# Altium PCB ssmaster.PcbDoc (part 2 of 3)
Units mil, origin at the board's own origin, x right, y up, seen from the top; angles counter-clockwise.
Board outline 4055.12 x 2952.76 mil, 4 copper layers (Top Layer, Ground Plane 1, Mid-Layer 1, Bottom Layer); 141 components, 274 nets, 1070 pads, 469 vias.
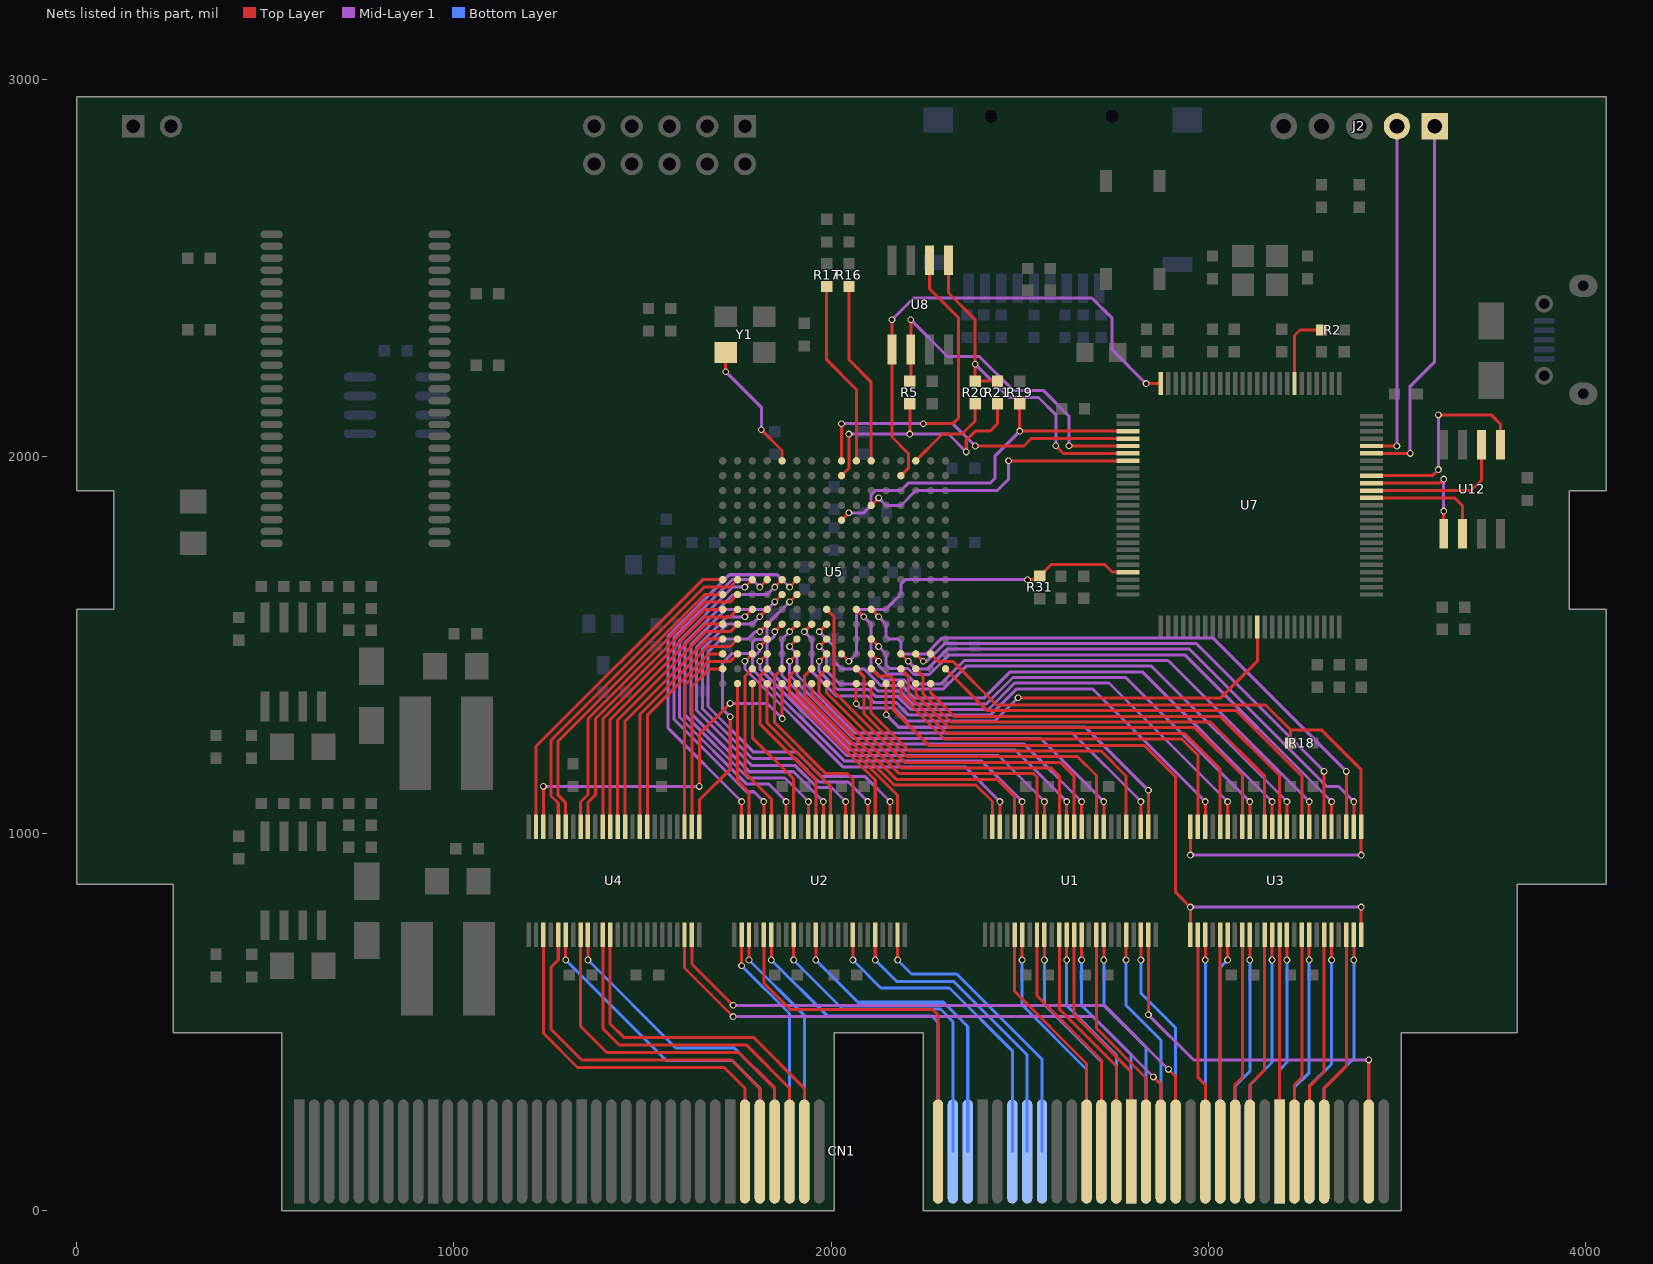
[diagram p4: the nets of this part, all layers, seen from the top]

## Via types
v1: diameter 18, hole 12, Top Layer to Bottom Layer, 444 vias
v2: diameter 28, hole 18, Top Layer to Bottom Layer, 25 vias

## Nets (pads, with @x,y where several pads share a name; then routed paths per layer and width w, separated by ;. In a path a pad name is that pad's centre, name@x,y a point inside that pad or via, vN(x,y) a via of type N, cw(c..) or ccw(c..) an arc to the next point about the centre after c; other vN are vias at no path point) (continued)
AA9: CN1.A42 U2.17 | length 856.4
  Top Layer w8: v1(2057.95,665) U2.17@2057.95,732.28
  Bottom Layer w8: v1(2057.95,665) 2131.95,591 2314,591 2480.32,424.68 CN1.A42@2480.32,157.48
AA10: CN1.A44 U2.23 | length 803.7
  Top Layer w8: v1(2176.06,665) U2.23@2176.06,732.28
  Bottom Layer w8: v1(2176.06,665) 2213.06,628 2333,628 2559.06,401.94 CN1.A44@2559.06,157.48
AA11: CN1.A43 U2.20 | length 830
  Top Layer w8: v1(2117.01,665) U2.20@2117.01,732.28
  Bottom Layer w8: v1(2117.01,665) 2174.01,608 2325,608 2519.69,413.31 CN1.A43@2519.69,157.48
AA12: CN1.A38 U2.9 | length 901.8
  Top Layer w8: v1(1900.47,665) U2.9@1900.47,732.28
  Bottom Layer w8: v1(1900.47,665) 2030.47,535 2290,535 2322.84,502.16 CN1.A38@2322.84,157.48
AA13: CN1.A39 U2.12 | length 874.3
  Top Layer w8: v1(1959.53,665) U2.12@1959.53,732.28
  Bottom Layer w8: v1(1959.53,665) 2071.53,553 2298,553 2362.21,488.79 CN1.A39@2362.21,157.48
AA14: CN1.B37 U2.5 | length 987.5
  Top Layer w8: U2.5@1821.73,732.28 1821.73,603.9 1891.63,534 2269.63,534 2283.47,520.16 CN1.B37@2283.47,157.48
AA15: CN1.A37 U2.6 | length 921.4
  Top Layer w8: v1(1841.42,665) U2.6@1841.42,732.28
  Bottom Layer w8: v1@1840.37,663.95 v1(1841.42,665) 1989.42,517 2266,517 2283.47,499.53 CN1.A37@2283.47,157.48
AA16: CN1.B35 U4.12 | length 989.5
  Top Layer w8: U4.12@1414.53,732.28 1414.53,495.47 1450,460 1794.13,460 1929.13,325 CN1.B35@1929.13,157.48
AA17: CN1.A35 U2.3 | length 635.6
  Top Layer w8: v1(1782.36,665) U2.3@1782.36,732.28
  Bottom Layer w8: v1(1782.36,665) 1929.13,518.23 CN1.A35@1929.13,157.48
AA18: CN1.B34 U4.11 | length 977.1
  Top Layer w8: U4.11@1394.84,732.28 1394.84,483.16 1438,440 1774.76,440 1889.76,325 CN1.B34@1889.76,157.48
AA19: CN1.A34 U2.2 | length 627.4
  Top Layer w8: v1(1762.68,650) U2.2@1762.68,732.28
  Bottom Layer w8: v1(1762.68,650) 1889.76,522.91 CN1.A34@1889.76,157.48
AA20: CN1.B33 U4.8 | length 993.2
  Top Layer w8: U4.8@1335.79,732.28 1335.79,489.21 1405,420 1755.39,420 1850.39,325 CN1.B33@1850.39,157.48
AA21: CN1.A33 U4.9 | length 870.6
  Top Layer w8: v1(1355.47,665) U4.9@1355.47,732.28
  Bottom Layer w8: v1(1355.47,665) 1588.47,432 1743.39,432 1850.39,325 CN1.A33@1850.39,157.48
AA22: CN1.B32 U4.5 | length 1044.1
  Top Layer w8: U4.5@1276.73,732.28 1276.73,665.1 1257.63,646 1257.63,481.37 1339,400 1735.37,400 1811.02,324.35 CN1.B32@1811.02,157.48
AA23: CN1.A32 U4.6 | length 890.2
  Top Layer w8: v1(1296.42,665) U4.6@1296.42,732.28
  Bottom Layer w8: v1(1296.42,665) 1562.42,399 1737.02,399 1811.02,325 CN1.A32@1811.02,157.48
AA24: CN1.B31 U4.3 | length 1023.8
  Top Layer w8: U4.3@1237.36,732.28 1237.36,470.64 1328,380 1716.65,380 1771.65,325 CN1.B31@1771.65,157.48
AAS: CN1.A53 U1.22 | length 612.9
  Top Layer w8: v1(2821.38,665) U1.22@2821.38,732.28
  Bottom Layer w8: v1(2821.38,665) 2821.38,576.62 2913.39,484.61 CN1.A53@2913.39,157.48
ACS0: CN1.A47 U1.6 | length 645.5
  Top Layer w8: v1(2506.42,665) U1.6@2506.42,732.28
  Bottom Layer w8: v1(2506.42,665) 2506.42,545.58 2677.17,374.83 CN1.A47@2677.17,157.48
ACS1: CN1.B48 U1.8 | length 645.5
  Top Layer w8: U1.8@2545.79,732.28 2545.79,570 2716.54,399.25 CN1.B48@2716.54,157.48
ACS2: CN1.A48 U1.9 | length 637.4
  Top Layer w8: v1(2565.47,665) U1.9@2565.47,732.28
  Bottom Layer w8: v1(2565.47,665) 2565.47,545.53 2716.54,394.46 CN1.A48@2716.54,157.48
AD0: CN1.A55 U3.3 | length 574.9
  Top Layer w8: v1(2991.86,665) U3.3@2991.86,732.28
  Bottom Layer w8: v1(2991.86,665) 2991.86,157.75 CN1.A55@2992.13,157.48
AD1: CN1.A56 U3.6 | length 582.8
  Top Layer w8: v1(3050.92,665) U3.6@3050.92,732.28
  Bottom Layer w8: CN1.A56@3031.5,157.48 3031.5,645.58 v1(3050.92,665)
AD2: CN1.A57 U3.9 | length 592
  Top Layer w8: v1(3109.97,665) U3.9@3109.97,732.28
  Bottom Layer w8: CN1.A57@3070.47,157.88 CN1.A57@3070.87,157.48 3070.37,157.98 3070.37,330 3109.97,369.6 v1(3109.97,665)
AD3: CN1.A58 U3.12 | length 599.2
  Top Layer w8: v1(3169.03,665) U3.12@3169.03,732.28
  Bottom Layer w8: CN1.A58@3110.24,157.48 3110.24,334.61 3169.03,393.4 v1(3169.03,665)
AD4: CN1.B58 U3.11 | length 591
  Top Layer w8: CN1.B58@3110.24,157.48 3110.24,334.87 3149.34,373.97 U3.11@3149.34,732.28
AD5: CN1.B57 U3.8 | length 582.8
  Top Layer w8: CN1.B57@3070.87,157.48 3070.87,334.5 3090.29,353.92 U3.8@3090.29,732.28
AD6: CN1.B56 U3.5 | length 574.9
  Top Layer w8: U3.5@3031.23,732.28 3031.23,157.75 CN1.B56@3031.5,157.48
AD7: CN1.B55 U3.2 | length 583.1
  Top Layer w8: U3.2@2972.18,732.28 2972.18,354.19 2992.13,334.24 CN1.B55@2992.13,157.48
AD8: CN1.A60 U3.14 | length 582.8
  Top Layer w8: v1(3208.4,665) U3.14@3208.4,732.28
  Bottom Layer w8: CN1.A60@3188.98,157.48 3188.98,374.35 3208.4,393.77 v1(3208.4,665)
AD9: CN1.A61 U3.17 | length 591
  Top Layer w8: v1(3267.45,665) U3.17@3267.45,732.28
  Bottom Layer w8: CN1.A61@3228.35,157.48 3228.35,326.77 3267.45,365.88 v1(3267.45,665)
AD10: CN1.A62 U3.20 | length 599.2
  Top Layer w8: v1(3326.51,665) U3.20@3326.51,732.28
  Bottom Layer w8: CN1.A62@3267.72,157.48 3267.72,330 3326.51,388.79 v1(3326.51,665)
AD11: CN1.A63 U3.23 | length 607.3
  Top Layer w8: v1(3385.56,665) U3.23@3385.56,732.28
  Bottom Layer w8: CN1.A63@3307.09,157.48 3307.09,325.46 3385.56,403.93 v1(3385.56,665)
AD12: CN1.B63 U3.22 | length 599.2
  Top Layer w8: CN1.B63@3307.09,157.48 3307.09,324.72 3365.88,383.51 U3.22@3365.88,732.28
AD13: CN1.B62 U3.19 | length 591.6
  Top Layer w8: CN1.B62@3267.32,157.88 CN1.B62@3267.72,157.48 3267.72,328.72 3306.82,367.82 U3.19@3306.82,732.28
AD14: CN1.B61 U3.16 | length 582.8
  Top Layer w8: CN1.B61@3228.35,157.48 3228.35,334.02 3247.77,353.44 U3.16@3247.77,732.28
AD15: CN1.B60 U3.13 | length 574.9
  Top Layer w8: U3.13@3188.71,732.28 3188.71,157.75 CN1.B60@3188.98,157.48
ADIR: U3.1 U3.24 U5.F15 | length 1933.6
  Top Layer w8: U5.F15@2106.3,1437.01 2125.98,1417.32 2157.68,1417.32 2165,1410 2165,1328 2259,1234 2829.37,1234 2913.37,1150 2913.37,844.31 v1(2952.49,805.19) U3.1@2952.49,732.28 ; U3.24@3405.25,732.28 v1(3405.25,805.19)
  Mid-Layer 1 w8: v1(2952.49,805.19) v1(3405.25,805.19)
ADOE: R18.1 U3.25 U3.48 U5.B14 | length 2057.5
  Top Layer w8: U5.B14@2263.78,1476.38 2283.46,1456.69 2322.83,1456.69 2438.53,1341 3151.63,1341 3217.63,1275 ; v1(2952.49,942.98) U3.48@2952.49,1017.72 ; R18.1@3217.63,1240 3217.63,1275 ; v1(3405.25,942.98) 3405.25,1169.38 3299.63,1275 3217.63,1275
  Mid-Layer 1 w8: v1(2952.49,942.98) v1(3405.25,942.98)
AFC0: CN1.A50 U1.14 | length 629.2
  Top Layer w8: v1(2663.9,665) U1.14@2663.9,732.28
  Bottom Layer w8: v1(2663.9,665) 2663.9,545.1 2795.28,413.72 CN1.A50@2795.28,157.48
AFC1: CN1.B50 U1.13 | length 637.4
  Top Layer w8: U1.13@2644.21,732.28 2644.21,519.79 2795.28,368.72 CN1.B50@2795.28,157.48
AIRQ: CN1.B53 U4.23 | length 1682.6
  Top Layer w8: U4.23@1631.06,732.28 1631.06,653.94 v1(1740,545) ; v1(2894.37,375) 2913.39,355.98 CN1.B53@2913.39,157.48
  Mid-Layer 1 w8: v1(1740,545) 2724.37,545 v1(2894.37,375)
AMCLK: CN1.B66 U1.23 | length 1088.6
  Top Layer w8: v1(2841.06,520) U1.23@2841.06,732.28 ; CN1.B66@3425.2,157.48 v1(3425.2,400)
  Mid-Layer 1 w8: v1(2841.06,520) 2961.06,400 v1(3425.2,400)
ARD: CN1.B47 U1.5 | length 653.7
  Top Layer w8: U1.5@2486.73,732.28 2486.73,581.27 2677.17,390.83 CN1.B47@2677.17,157.48
ATIM0: CN1.A51 U1.17 | length 621.1
  Top Layer w8: v1(2722.95,665) U1.17@2722.95,732.28
  Bottom Layer w8: v1(2722.95,665) 2722.95,545.05 2834.65,433.35 CN1.A51@2834.65,157.48
ATIM1: CN1.B51 U1.16 | length 629.2
  Top Layer w8: U1.16@2703.27,732.28 2703.27,483.73 2834.65,352.35 CN1.B51@2834.65,157.48
ATIM2: CN1.A52 U1.20 | length 612.9
  Top Layer w8: v1(2782.01,665) U1.20@2782.01,732.28
  Bottom Layer w8: v1(2782.01,665) 2782.01,544.99 2874.02,452.98 CN1.A52@2874.02,157.48
AWAIT: CN1.B52 U4.22 | length 1656.9
  Top Layer w8: U4.22@1611.38,732.28 1611.38,643.62 v1(1740,515) ; v1(2854.37,355) 2874.02,335.35 CN1.B52@2874.02,157.48
  Mid-Layer 1 w8: v1(1740,515) 2694.37,515 v1(2854.37,355)
AWR0: CN1.A49 U1.12 | length 629.2
  Top Layer w8: v1(2624.53,665) U1.12@2624.53,732.28
  Bottom Layer w8: v1(2624.53,665) 2624.53,544.47 2755.91,413.09 CN1.A49@2755.91,157.48
AWR1: CN1.B49 U1.11 | length 637.4
  Top Layer w8: U1.11@2604.84,732.28 2604.84,535.16 2755.91,384.09 CN1.B49@2755.91,157.48
CLK_50M: U5.M1 Y1.3 | length 349.4
  Top Layer w8: v1(1720.47,2224.41) Y1.3@1720.47,2275.59 ; v1(1814.96,2070.87) 1870.08,2015.75 U5.M1@1870.08,1988.19
  Mid-Layer 1 w8: v1(1720.47,2224.41) 1814.96,2129.92 v1(1814.96,2070.87)
DEBUG_LED: R2.2 U7.7 | length 205.2
  Top Layer w8: U7.7@3228.35,2192.91 3228.35,2320.35 3243,2335 R2.2@3300,2335
DEBUG_LED0: R16.1 U5.F1 | length 486.6
  Top Layer w8: R16.1@2047.24,2450.32 2047.24,2255.91 2106.3,2196.85 U5.F1@2106.3,1988.19
DEBUG_LED1: R17.1 U5.G1 | length 494.7
  Top Layer w8: R17.1@1988.19,2450.32 1988.19,2255.91 2066.93,2177.17 U5.G1@2066.93,1988.19
DEBUG_RX: J2.1 U7.95 | length 996
  Top Layer w8: U7.95@3433.07,2007.87 v1(3535,2007.87)
  Mid-Layer 1 w8: v1(3535,2007.87) 3535,2186 3600,2251 J2.1@3600,2875
DEBUG_TX: J2.2 U7.96 | length 914.4
  Top Layer w8: U7.96@3433.07,2027.56 v1(3500,2027.56)
  Mid-Layer 1 w8: v1(3500,2027.56) J2.2@3500,2875
EPCS_SI: R20.1 R21.2 U7.31 U8.5 | length 960.3
  Top Layer w8: U8.5@2311.22,2519.68 2311.22,2432.87 2381.89,2362.21 v1(2381.89,2244.09) R20.1@2381.89,2199.29 R21.2@2440.94,2199.29 ; v1(2595.63,2028) 2615.76,2007.87 U7.31@2787.4,2007.87
  Mid-Layer 1 w8: v1(2381.89,2244.09) 2469.98,2156 2550.02,2156 2595.63,2110.39 v1(2595.63,2028)
EPCS_SO: R5.2 U7.30 U8.2 | length 920.9
  Top Layer w8: R5.2@2211.22,2201.85 U8.2@2211.22,2283.46 v1(2211.22,2362.2) ; v1@2630.63,2027.56 U7.30@2787.4,2027.56
  Mid-Layer 1 w8: v1(2211.22,2362.2) 2308.42,2265 2393,2265 2483,2175 2562,2175 2630.63,2106.37 v1(2630.63,2028)
FA0: U1.47 U5.K15 | length 760.8
  Top Layer w8: U5.K15@1948.82,1437.01 1929.13,1417.32 1929.13,1367.02 2167.16,1129 2383.68,1129 2427.68,1085 U1.47@2427.68,1017.72
FA1: U1.46 U5.P14 | length 936.7
  Top Layer w8: v1(1771.65,1456.69) U5.P14@1791.34,1476.38 ; U1.46@2447.36,1017.72 v1(2447.36,1085)
  Mid-Layer 1 w8: v1(1771.65,1456.69) 1771.65,1436.41 2031.06,1177 2355.36,1177 v1(2447.36,1085)
FA2: U2.27 U5.N12 | length 986
  Top Layer w8: v1(1811.02,1535.43) U5.N12@1830.71,1555.12 ; U2.27@2156.38,1017.72 v1(2156.38,1085)
  Mid-Layer 1 w8: v1(1811.02,1535.43) 1799.06,1535.43 1779.38,1515.75 1708.76,1515.75 1673.63,1480.62 1673.63,1337 1793.63,1217 1908,1217 1973,1152 2089.38,1152 v1(2156.38,1085)
FA3: U2.30 U5.N11 | length 980.9
  Top Layer w8: v1(1811.02,1574.8) U5.N11@1830.71,1594.49 ; U2.30@2097.32,1017.72 v1(2097.32,1085)
  Mid-Layer 1 w8: v1(1811.02,1574.8) 1791.34,1555.12 1725.12,1555.12 1659,1489 1659,1331 1791,1199 1906,1199 1968,1137 2045.32,1137 v1(2097.32,1085)
FA4: U2.33 U5.P11 | length 919.8
  Top Layer w8: v1(1771.65,1574.8) U5.P11@1791.34,1594.49 ; U2.33@2038.27,1017.72 v1(2038.27,1085)
  Mid-Layer 1 w8: v1(1771.65,1574.8) 1723.8,1574.8 1643,1494 1643,1327 1789,1181 1904,1181 1962.95,1122.05 2001.22,1122.05 v1(2038.27,1085)
FA5: U2.36 U5.M10 | length 994.5
  Top Layer w8: v1(1850.39,1614.17) U5.M10@1870.08,1633.86 ; U2.36@1979.21,1017.72 v1(1979.21,1085)
  Mid-Layer 1 w8: v1(1850.39,1614.17) 1830.71,1594.49 1721.49,1594.49 1628,1501 1628,1319 1783,1164 1900.21,1164 v1(1979.21,1085)
FA6: U2.38 U5.M9 | length 1007.3
  Top Layer w8: v1(1850.39,1653.54) U5.M9@1870.08,1673.23 ; U2.38@1939.84,1017.72 v1(1939.84,1085)
  Mid-Layer 1 w8: v1(1850.39,1653.54) 1830.71,1633.86 1740.86,1633.86 1613,1506 1613,1314 1779.77,1147.23 1877.61,1147.23 v1(1939.84,1085)
FA7: U2.41 U5.P9 | length 906
  Top Layer w8: v1(1771.65,1653.54) U5.P9@1791.34,1673.23 ; U2.41@1880.79,1017.72 v1(1880.79,1085)
  Mid-Layer 1 w8: v1(1771.65,1653.54) 1739.54,1653.54 1598,1512 1598,1309 1775,1132 1833.79,1132 v1(1880.79,1085)
FA8: U2.35 U5.N16 | length 449.6
  Top Layer w8: U5.N16@1830.71,1397.64 1830.71,1293.29 1998.9,1125.1 U2.35@1998.9,1017.72
FA9: U2.32 U5.M15 | length 547.2
  Top Layer w8: U5.M15@1870.08,1437.01 1850.39,1417.32 1850.39,1294.61 1986,1159 2043.63,1159 2057.95,1144.68 U2.32@2057.95,1017.72
FA10: U2.26 U5.L16 | length 490.4
  Top Layer w8: U5.L16@1909.45,1397.64 1909.45,1368.32 2176.06,1101.71 U2.26@2176.06,1017.72
FA11: U2.29 U5.L15 | length 521.6
  Top Layer w8: U5.L15@1909.45,1437.01 1889.76,1417.32 1889.76,1369.62 2117.01,1142.38 U2.29@2117.01,1017.72
FA12: U2.40 U5.P16 | length 425.1
  Top Layer w8: U5.P16@1791.34,1397.64 1791.34,1254.29 1900.47,1145.16 U2.40@1900.47,1017.72
FA13: U2.37 U5.N15 | length 489
  Top Layer w8: U5.N15@1830.71,1437.01 1811.02,1417.32 1811.02,1290.98 1959.53,1142.47 U2.37@1959.53,1017.72
FA14: U2.44 U5.N9 | length 939.6
  Top Layer w8: v1(1811.02,1653.54) U5.N9@1830.71,1673.23 ; U2.44@1821.73,1017.72 v1(1821.73,1085)
  Mid-Layer 1 w8: v1(1811.02,1653.54) 1791.34,1673.23 1737.23,1673.23 1583,1519 1583,1304 1776,1111 1795.73,1111 v1(1821.73,1085)
FA15: U2.43 U5.P15 | length 456.3
  Top Layer w8: U5.P15@1791.34,1437.01 1771.65,1417.32 1771.65,1161.72 1841.42,1091.95 1841.42,1078 U2.43@1841.42,1017.72
FA16: U4.37 U5.T12 | length 687.5
  Top Layer w8: U4.37@1414.53,1017.72 1414.53,1302.53 1667.12,1555.12 U5.T12@1712.6,1555.12
FA17: U2.46 U5.R16 | length 392.5
  Top Layer w8: U5.R16@1751.97,1397.64 1751.97,1140.39 1782.36,1110 1782.36,1070 U2.46@1782.36,1017.72
FA18: U4.38 U5.R11 | length 763.6
  Top Layer w8: U4.38@1394.84,1017.72 1394.84,1303.84 1665.8,1574.8 1732.28,1574.8 U5.R11@1751.97,1594.49
FA19: U2.47 U5.L9 | length 1017.3
  Top Layer w8: U2.47@1762.68,1017.72 v1(1762.68,1085) ; v1(1889.76,1653.54) U5.L9@1909.45,1673.23
  Mid-Layer 1 w8: v1(1762.68,1085) 1568,1279.68 1568,1524 1730.23,1686.23 1857.08,1686.23 v1(1889.76,1653.54)
FA20: U4.41 U5.R10 | length 827.8
  Top Layer w8: U4.41@1335.79,1017.72 1335.79,1083.79 1355.63,1103.63 1355.63,1304.63 1665.17,1614.17 1732.28,1614.17 U5.R10@1751.97,1633.86
FA21: U4.40 U5.T11 | length 752.3
  Top Layer w8: U4.40@1355.47,1017.72 1355.47,1082.84 1375.63,1103 1375.63,1304.63 1665.49,1594.49 U5.T11@1712.6,1594.49
FA22: U4.44 U5.R9 | length 908.5
  Top Layer w8: U4.44@1276.73,1017.72 1276.73,1080.9 1257.63,1100 1257.63,1247.63 1663.54,1653.54 1732.28,1653.54 U5.R9@1751.97,1673.23
FA23: U4.43 U5.T10 | length 832.9
  Top Layer w8: U4.43@1296.42,1017.72 1296.42,1081.58 1276.63,1101.37 1276.63,1245.63 1664.86,1633.86 U5.T10@1712.6,1633.86
FAA24: U4.46 U5.M16 | length 1088.7
  Top Layer w8: U4.46@1237.36,1017.72 v1(1237.36,1125) ; v1(1650.63,1125) 1650.63,1263.26 v1(1732.37,1345) ; 1870.08,1330.71 U5.M16@1870.08,1397.64 1870.08,1305.29 v1(1870.37,1305)
  Mid-Layer 1 w8: v1(1237.36,1125) v1(1650.63,1125) ; v1(1732.37,1345) 1830.37,1345 v1(1870.37,1305)
FAIRQ: U4.26 U5.T15 | length 473.3
  Top Layer w8: U4.26@1631.06,1017.72 1631.06,1390.06 1678.01,1437.01 U5.T15@1712.6,1437.01
FAS: U1.27 U5.L13 | length 1229.7
  Top Layer w8: v1(1889.76,1496.06) U5.L13@1909.45,1515.75 ; U1.27@2821.38,1017.72 v1(2821.38,1085)
  Mid-Layer 1 w8: v1(1889.76,1496.06) 1909.45,1476.38 1909.45,1420.55 2063,1267 2639.38,1267 v1(2821.38,1085)
FAWAIT: U4.27 U5.R14 | length 550
  Top Layer w8: U4.27@1611.38,1017.72 1611.38,1392.38 1675.69,1456.69 1732.28,1456.69 U5.R14@1751.97,1476.38
FCS0: U1.43 U5.N13 | length 1023.4
  Top Layer w8: v1(1811.02,1496.06) U5.N13@1830.71,1515.75 ; U1.43@2506.42,1017.72 v1(2506.42,1085)
  Mid-Layer 1 w8: v1(1811.02,1496.06) 1811.02,1484.39 1791.34,1464.71 1791.34,1436.66 2036,1192 2399.42,1192 v1(2506.42,1085)
FCS1: U1.41 U5.J15 | length 875
  Top Layer w8: U5.J15@1988.19,1437.01 1968.5,1417.32 1968.5,1371.5 2181,1159 2536.79,1159 2545.79,1150 U1.41@2545.79,1017.72
FCS2: U1.40 U5.N14 | length 1015.1
  Top Layer w8: v1(1811.02,1456.69) U5.N14@1830.71,1476.38 ; U1.40@2565.47,1017.72 v1(2565.47,1085)
  Mid-Layer 1 w8: v1(1811.02,1456.69) 1811.02,1436.98 2041,1207 2443.47,1207 v1(2565.47,1085)
FD0: U3.46 U5.K12 | length 1452.5
  Top Layer w8: v1(1929.13,1535.43) U5.K12@1948.82,1555.12 ; U3.46@2991.86,1017.72 v1(2991.86,1085)
  Mid-Layer 1 w8: v1(1929.13,1535.43) 1948.82,1515.75 1948.82,1430.18 2014,1365 2096,1365 2113,1348 2172,1348 2206,1314 2422.15,1314 2492.15,1384 2692.86,1384 v1(2991.86,1085)
FD1: U3.43 U5.J14 | length 1404.9
  Top Layer w8: v1(1968.5,1456.69) U5.J14@1988.19,1476.38 ; U3.43@3050.92,1017.72 v1(3050.92,1085)
  Mid-Layer 1 w8: v1(1968.5,1456.69) 1968.5,1430.44 2016.94,1382 2099,1382 2118,1363 2177,1363 2211,1329 2417,1329 2487,1399 2736.92,1399 v1(3050.92,1085)
FD2: U3.40 U5.J13 | length 1491.5
  Top Layer w8: v1(1968.5,1496.06) U5.J13@1988.19,1515.75 ; U3.40@3109.97,1017.72 v1(3109.97,1085)
  Mid-Layer 1 w8: v1(1968.5,1496.06) 1988.19,1476.38 1988.19,1430.81 2022,1397 2105,1397 2124,1378 2182,1378 2216,1344 2412,1344 2482,1414 2780.97,1414 v1(3109.97,1085)
FD3: U3.37 U5.J12 | length 1563.3
  Top Layer w8: v1(1968.5,1535.43) U5.J12@1988.19,1555.12 ; U3.37@3169.03,1017.72 v1(3169.03,1085)
  Mid-Layer 1 w8: v1(1968.5,1535.43) 2007.87,1496.06 2007.87,1456.69 2027.56,1437.01 2086.99,1437.01 2131,1393 2187,1393 2221,1359 2405,1359 2475,1429 2825.03,1429 v1(3169.03,1085)
FD4: U3.38 U5.C15 | length 1205.2
  Top Layer w8: U5.C15@2224.41,1437.01 2244.09,1417.32 2244.09,1369.91 2318,1296 3005.63,1296 3149.34,1152.29 U3.38@3149.34,1017.72
FD5: U3.41 U5.C16 | length 1119.7
  Top Layer w8: U5.C16@2224.41,1397.64 2224.41,1369.59 2313,1281 2963.63,1281 3090.29,1154.34 U3.41@3090.29,1017.72
FD6: U3.44 U5.D15 | length 1139.2
  Top Layer w8: U5.D15@2185.04,1437.01 2204.72,1417.32 2204.72,1367.28 2306,1266 2936.63,1266 3031.23,1171.4 U3.44@3031.23,1017.72
FD7: U3.47 U5.D16 | length 1074.5
  Top Layer w8: U5.D16@2185.04,1397.64 2185.04,1366.6 2300.64,1251 2929.77,1251 2972.18,1208.59 U3.47@2972.18,1017.72
FD8: U3.35 U5.G11 | length 1537.8
  Top Layer w8: U5.G11@2066.93,1594.49 v1(2086.62,1574.8) ; U3.35@3208.4,1017.72 v1(3208.4,1085)
  Mid-Layer 1 w8: v1(2086.62,1574.8) 2106.3,1555.12 2106.3,1439.6 2138.9,1407 2194,1407 2217.8,1383.2 2297.2,1383.2 2358,1444 2849.4,1444 v1(3208.4,1085)
FD9: U3.32 U5.F14 | length 1449.4
  Top Layer w8: U5.F14@2106.3,1476.38 v1(2125.99,1456.69) ; U3.32@3267.45,1017.72 v1(3267.45,1085)
  Mid-Layer 1 w8: v1(2125.99,1456.69) 2125.99,1445.01 2148,1423 2199,1423 2225.8,1396.2 2289.83,1396.2 2352.63,1459 2893.45,1459 v1(3267.45,1085)
FD10: U3.29 U5.F13 | length 1525.6
  Top Layer w8: U5.F13@2106.3,1515.75 v1(2125.99,1496.06) ; U3.29@3326.51,1017.72 v1(3326.51,1085)
  Mid-Layer 1 w8: v1(2125.99,1496.06) 2145.67,1476.38 2145.67,1447.96 2155.63,1438 2204,1438 2220,1422 2261,1422 2313,1474 2937.51,1474 v1(3326.51,1085)
FD11: U3.26 U5.D14 | length 1473
  Top Layer w8: U5.D14@2185.04,1476.38 v1(2204.73,1456.69) ; U3.26@3385.56,1017.72 v1(3385.56,1085)
  Mid-Layer 1 w8: v1(2204.73,1456.69) 2224.41,1437.01 2256.01,1437.01 2308,1489 2950,1489 3314,1125 3345.56,1125 v1(3385.56,1085)
FD12: U3.27 U5.F11 | length 1652.1
  Top Layer w8: U5.F11@2106.3,1594.49 v1(2125.99,1574.8) ; U3.27@3365.88,1017.72 v1@3365.88,1165
  Mid-Layer 1 w8: v1(2125.99,1574.8) 2145.67,1555.12 2145.67,1523.62 2153.54,1515.75 2177.17,1515.75 2185.04,1507.87 2185.04,1484.25 2192.91,1476.38 2252.38,1476.38 2295,1519 3011.63,1519 v1(3365.63,1165)
FD13: U3.30 U5.C14 | length 1397.7
  Top Layer w8: U5.C14@2224.41,1476.38 v1(2244.1,1456.69) ; U3.30@3306.82,1017.72 v1@3306.82,1165
  Mid-Layer 1 w8: v1(2244.1,1456.69) 2253.69,1456.69 2301,1504 2967.63,1504 v1(3306.63,1165)
FD14: U3.33 U5.A15 | length 1197.5
  Top Layer w8: U5.A15@2303.15,1437.01 2414.16,1326 3074.63,1326 3247.77,1152.86 U3.33@3247.77,1017.72
FD15: U3.36 U5.B16 | length 1176.4
  Top Layer w8: U5.B16@2263.78,1397.64 2263.78,1373.22 2326,1311 3031.63,1311 3188.71,1153.92 U3.36@3188.71,1017.72
FFC0: U1.35 U5.L12 | length 1151.9
  Top Layer w8: v1(1889.76,1535.43) U5.L12@1909.45,1555.12 ; U1.35@2663.9,1017.72 v1(2663.9,1085)
  Mid-Layer 1 w8: v1(1889.76,1535.43) 1870.08,1515.75 1870.08,1418.92 2052,1237 2511.9,1237 v1(2663.9,1085)
FFC1: U1.36 U5.J11 | length 1090
  Top Layer w8: U5.J11@1988.19,1594.49 2007.87,1574.8 2007.87,1376.13 2195,1189 2607.21,1189 2644.21,1152 U1.36@2644.21,1017.72
FIBCK: U4.33 U5.R13 | length 639.9
  Top Layer w8: U4.33@1493.27,1017.72 1493.27,1316.27 1673.06,1496.06 1732.28,1496.06 U5.R13@1751.97,1515.75
FILRCK: U4.32 U5.T14 | length 563.2
  Top Layer w8: U4.32@1512.95,1017.72 1512.95,1313.95 1675.38,1476.38 U5.T14@1712.6,1476.38
FISD: U4.35 U5.T13 | length 629.1
  Top Layer w8: U4.35@1453.9,1017.72 1453.9,1297.9 1671.75,1515.75 U5.T13@1712.6,1515.75
FL_CLK: U7.89 U12.6 | length 323.6
  Top Layer w8: U7.89@3433.07,1889.76 3653.24,1889.76 3674,1869 U12.6@3674,1794.89
FL_CS: U7.92 U12.1 | length 557.5
  Top Layer w8: U7.92@3433.07,1948.82 3593.82,1948.82 v1(3610,1965) ; v1(3610,2110) 3750,2110 3774,2086 U12.1@3774,2031.11
  Mid-Layer 1 w8: v1(3610,1965) v1(3610,2110)
FL_SI: U7.91 U12.5 | length 340.5
  Top Layer w8: U7.91@3433.07,1929.13 3613.13,1929.13 v1(3624,1940) ; U12.5@3624,1794.89 v1(3624,1855)
  Mid-Layer 1 w8: v1(3624,1855) v1(3624,1940)
FL_SO: U7.90 U12.2 | length 396.5
  Top Layer w8: U7.90@3433.07,1909.45 3696.45,1909.45 3724,1937 U12.2@3724,2031.11
FMCLK: U1.26 U5.E16 | length 957.8
  Top Layer w8: v1@2145.63,1315 U5.E16@2145.67,1397.64 U5.E16@2145.67,1397.64 ; U1.26@2841.06,1017.72 v1(2841.06,1115)
  Mid-Layer 1 w8: v1(2146,1315) 2179,1282 2674.06,1282 v1(2841.06,1115)
FOUTEN: U4.25 U5.L10 | length 777.9
  Top Layer w8: U4.25@1650.75,1017.72 1650.75,1089.12 1732.63,1171 v1(1732.63,1310) ; v1(1889.76,1614.17) U5.L10@1909.45,1633.86
  Mid-Layer 1 w8: v1(1732.63,1310) 1712.63,1330 1712.63,1453 1736.63,1477 1781.63,1477 1791.63,1487 1791.63,1507 1799.63,1515 1819.63,1515 1830.63,1526 1830.63,1555.04 v1(1889.76,1614.17)
FPGA_ASDO: R20.2 U5.C1 | length 246.7
  Top Layer w8: U5.C1@2224.41,1988.19 2295.28,2059.06 2347.06,2059.06 2381.89,2093.89 R20.2@2381.89,2139.29
FPGA_CFG: R19.1 U5.H5 U7.28 | length 973.9
  Top Layer w8: U5.H5@2027.56,1830.71 v1(2047.24,1850.39) ; v1(2500,2067) R19.1@2500,2139.29 ; v1@2506.93,2066.93 U7.28@2787.4,2066.93
  Mid-Layer 1 w8: v1(2047.24,1850.39) 2086.62,1850.39 2106.3,1870.08 2106.3,1897.64 2118.11,1909.45 2185.04,1909.45 2204.72,1929.13 2421.26,1929.13 2434.88,1942.75 2434.88,2001.88 v1(2500,2067)
FPGA_CS: U5.D2 U7.25 U8.1 | length 1319
  Top Layer w8: v1(2161.22,2362.2) U8.1@2161.22,2283.46 2161.22,2051.38 2204.73,2007.87 2204.73,1968.5 U5.D2@2185.04,1948.82 ; v1(2835,2192.91) U7.25@2874.02,2192.91
  Mid-Layer 1 w8: v1(2161.22,2362.2) 2219.02,2420 2691,2420 2745,2366 2745,2282.91 v1(2835,2192.91)
FPGA_DATA: R5.1 R21.1 U5.H2 | length 714
  Top Layer w8: U5.H2@2027.56,1948.82 2047.24,1968.5 v1(2047.24,2059.06) ; v1(2208.66,2059.05) R5.1@2208.66,2139.29 ; v1(2358.27,2011.81) 2358.27,2043.31 2381.89,2066.93 2421.26,2066.93 2440.95,2086.61 R21.1@2440.95,2139.29
  Mid-Layer 1 w8: v1(2047.24,2059.06) 2311.02,2059.06 v1(2358.27,2011.81)
FPGA_DCLK: U5.H1 U7.29 U8.6 | length 1440.8
  Top Layer w8: U5.H1@2027.56,1988.19 v1(2027.56,2086.61) ; v1(2244.09,2086.61) 2322.83,2086.61 2338,2101.78 2338,2366.72 2261.22,2443.5 U8.6@2261.22,2519.68 ; v1(2381.89,2027.56) 2511.19,2027.56 2530.87,2047.24 U7.29@2787.4,2047.24
  Mid-Layer 1 w8: v1(2027.56,2086.61) v1(2244.09,2086.61) 2322.83,2086.61 v1(2381.89,2027.56)
FPGA_DONE: R31.1 U5.H14 U7.47 | length 963.3
  Top Layer w8: U5.H14@2027.56,1476.38 v1(2047.24,1456.69) ; v1(2520.63,1673.23) 2543.23,1673.23 R31.1@2553,1683 2584,1714 2724.63,1714 2745.72,1692.91 U7.47@2787.4,1692.91
  Mid-Layer 1 w8: v1(2047.24,1456.69) 2066.93,1476.38 2066.93,1586.61 2074.8,1594.49 2144.49,1594.49 2185.04,1635.04 2185.04,1661.42 2196.85,1673.23 v1(2520.63,1673.23)
FPGA_INIT: U5.G16 U7.64 | length 1291.6
  Top Layer w8: v1(2066.63,1344) 2066.63,1397.34 U5.G16@2066.93,1397.64 ; v1(2495.63,1360) 3033.23,1360 3129.92,1456.69 3129.92,1476.38 U7.64@3129.92,1547.24
  Mid-Layer 1 w8: v1(2066.63,1344) 2077.63,1333 2166,1333 2200,1299 2434.63,1299 v1(2495.63,1360)
FPGA_STAT: U5.F4 U7.32 | length 774.6
  Top Layer w8: U5.F4@2106.3,1870.08 v1(2125.99,1889.76) ; v1(2470.63,1988.19) U7.32@2787.4,1988.19
  Mid-Layer 1 w8: v1(2125.99,1889.76) 2145.67,1870.08 2185.04,1870.08 2224.41,1909.45 2440.08,1909.45 2470.63,1940 v1(2470.63,1988.19)
FRD: U1.44 U5.K16 | length 759.6
  Top Layer w8: U5.K16@1948.82,1397.64 1948.82,1368.18 2173,1144 2440.73,1144 2486.73,1098 U1.44@2486.73,1017.72
FSSEL: U4.36 U5.R12 | length 706.4
  Top Layer w8: U4.36@1434.21,1017.72 1434.21,1301.21 1668.43,1535.43 1732.28,1535.43 U5.R12@1751.97,1555.12
FSYSRES: U4.47 U5.T9 | length 891.6
  Top Layer w8: U4.47@1217.68,1017.72 1217.68,1231.37 1659.54,1673.23 U5.T9@1712.6,1673.23
FTIM0: U1.32 U5.L14 | length 1103.6
  Top Layer w8: v1(1889.76,1456.69) U5.L14@1909.45,1476.38 ; U1.32@2722.95,1017.72 v1(2722.95,1085)
  Mid-Layer 1 w8: v1(1889.76,1456.69) 1889.76,1420.24 2058,1252 2555.95,1252 v1(2722.95,1085)
FTIM1: U1.33 U5.G15 | length 947.8
  Top Layer w8: U5.G15@2066.93,1437.01 2086.61,1417.32 2086.61,1318.39 2201,1204 2653.27,1204 2703.27,1154 U1.33@2703.27,1017.72
FTIM2: U1.29 U5.F16 | length 958
  Top Layer w8: U5.F16@2106.3,1397.64 2106.3,1319.7 2207,1219 2716.01,1219 2782.01,1153 U1.29@2782.01,1017.72
FWR0: U1.37 U5.M12 | length 1141.2
  Top Layer w8: v1(1850.39,1535.43) U5.M12@1870.08,1555.12 ; U1.37@2624.53,1017.72 v1(2624.53,1085)
  Mid-Layer 1 w8: v1(1850.39,1535.43) 1850.39,1524.76 1830.71,1505.08 1830.71,1437.29 2046,1222 2487.53,1222 v1(2624.53,1085)
FWR1: U1.38 U5.J16 | length 867.8
  Top Layer w8: U5.J16@1988.19,1397.64 1988.19,1372.81 2187,1174 2583.84,1174 2604.84,1153 U1.38@2604.84,1017.72